# KiCad board imx8x_eps_leviathan.kicad_pcb (continued)
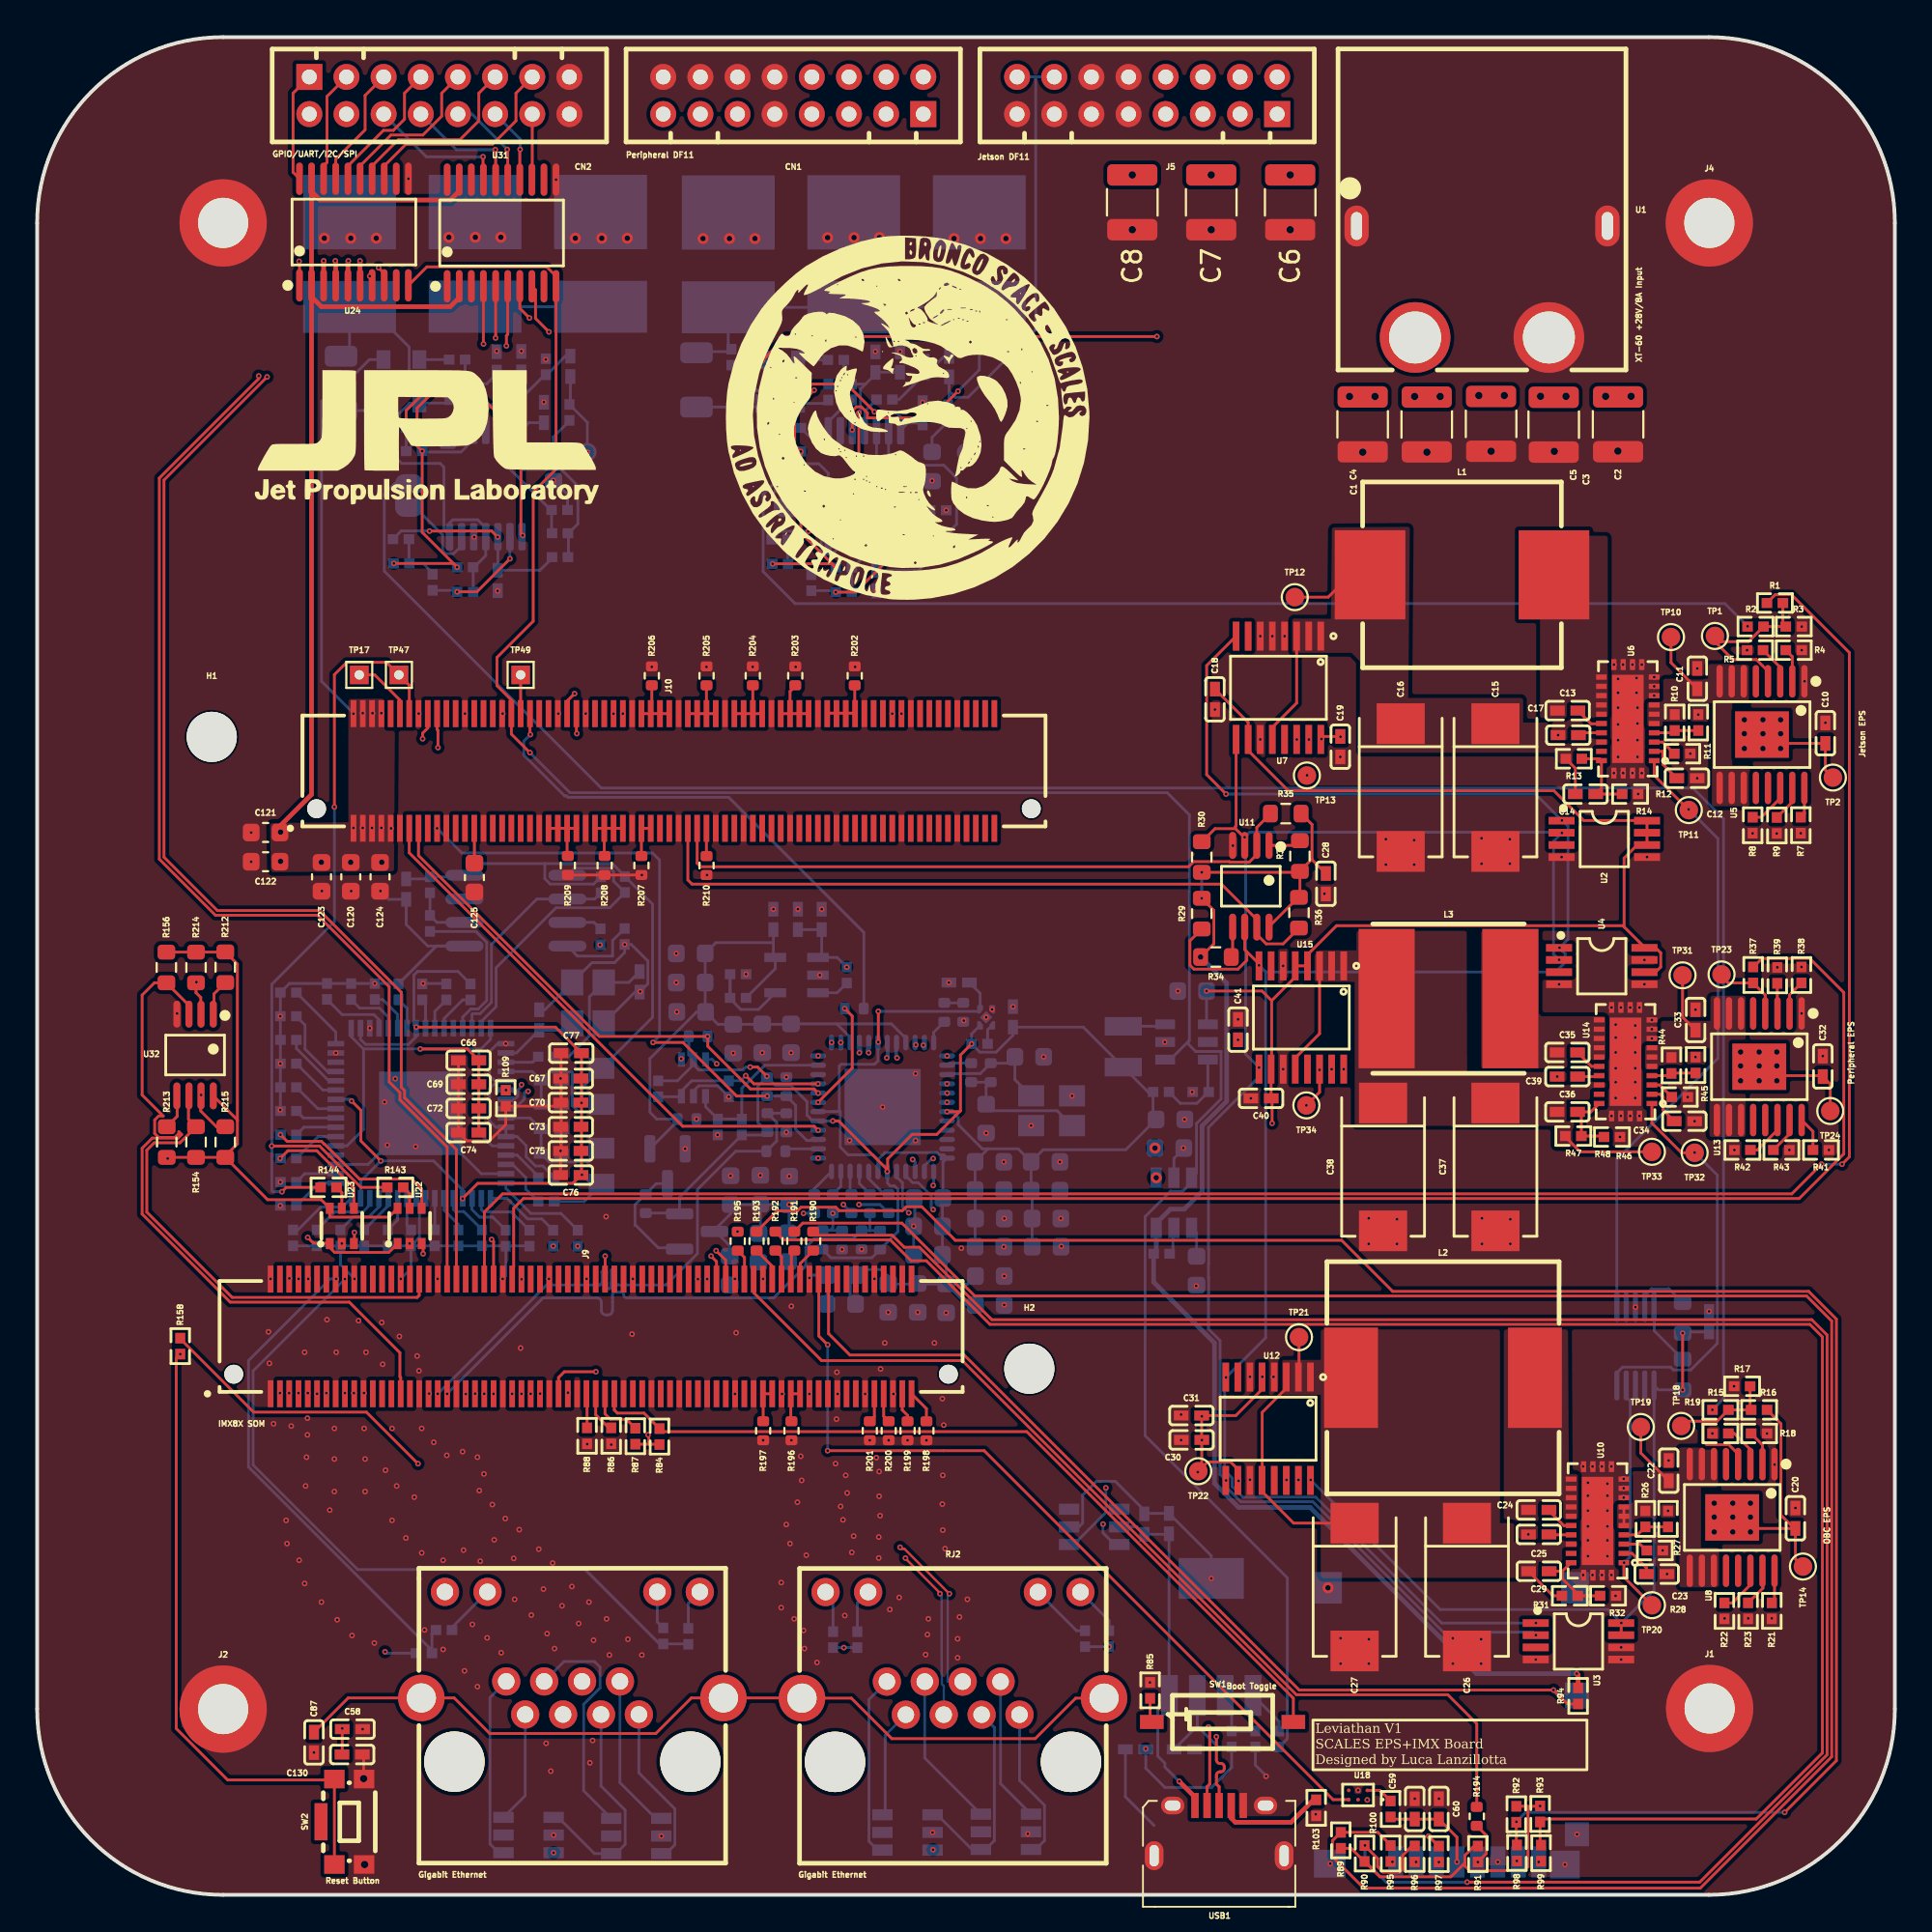
[diagram p0: board, top side]
## Routing (per net, layer and track width the routed paths; a pad name or vN(x,y) marks a point on that pad's centre or on a via; arc(x,y) is an arc through that point) (continued)
GNDPWR: length 46.7
  SIG1 w0.15: RJ2.14 55.91,10.59 53.73,8.41 46.01,8.41 43.83,10.59 RJ2.13 41.16,10.6 RJ1.14 35.22,10.6 33.3,8.68 24.36,8.68 22.45,10.6 RJ1.13 16.74,10.6 C87.1
VBUS_DEBUG_USB: length 18.6
  SIG1 w0.25: v1(61.48,6.11) 62.33,5.26 USB1.1
  SIG3 w0.15: 61.48,6.11 60.71,6.88 60.71,7.08 60.33,7.47 60.33,10.11 60.95,10.73 60.93,10.76 C78.2 60.9,19.41 C79.2 59.2,19.81 TV1.5
VCC_1V8_OUT: length 54.5
  SIG1 w0.15: U22.1 18.93,34.58 16.02,34.58 15.75,34.85 U23.1 15.73,35.08 14.87,35.08 v1(14.56,35.39) ; v1(12.63,40.31) 15.2,40.31 17.43,38.08 18.85,38.08 ; 20.03,63.03 20.03,65.11 TP47.1 18.8,66.35 16.66,66.35 16,65.69 v1(16,58.56) ; R144.2 13.41,38.08 v1(13.18,37.85)
  PWR w0.15: v1(13.18,37.85) 14.56,36.46 v1(14.56,35.39)
  SIG3 w0.15: v1(13.18,37.85) 12.68,37.85 12.63,37.9 12.63,49.02 16,52.39 v1(16,58.56)
VCC_3V3_OUT: length 4
  SIG1 w0.15: 19.52,63.03 19.52,64.32 18.17,65.67 TP17.1
VCC_ENET_2V5: length 35.2
  SIG3 w0.15: 39.63,51.21 39.63,50.56 U26.5 39.73,49.86 R157.2 ; 39.63,51.21 39.59,51.25 36.53,51.25 35.96,50.68 35.96,47.55 C97.1 ; 39.63,51.21 C86.1 ; C97.1 35.5,47.53 32.99,45.01 32.99,42.13 33.35,41.76 R188.1 34.47,41.65 Q2.1 ; C97.1 36.65,46.86 C100.1 40.56,46.86 40.58,46.88 ; 40.58,46.88 43.04,46.88 ; 40.58,46.88 40.53,46.83 ; 43.04,46.88 45.99,46.88 46.76,46.11 U25.9 ; 43.04,46.88 43.76,46.16 U25.3
VCC_LDO_SD1: length 79.9
  SIG1 w0.15: 79.62,4.77 R92.2 80.89,4.77 v1(80.91,4.78) ; R91.2 77.36,2.62 76.86,2.12 76.86,1.72 ; 76.86,1.72 76.1,0.97 72.28,0.97 R90.2 ; 76.86,1.72 76.86,1.56 77.11,1.3 80.04,1.3 80.25,1.51 80.25,4.73 ; 71.45,1.78 70.73,2.5 R89.2
  PWR w0.15: v1(80.91,4.78) 80.91,7.96 83.75,10.81 83.75,12.71 62.7,33.76 51.78,33.76 51.55,33.54 39.45,33.54 v1(39.08,33.16)
VCC_SCU_1V8: length 44.8
  SIG1 w0.15: v1(28.93,64.66) 28.53,64.26 J10.93 ; 32.93,24.26 33.48,24.26 R84.2 ; 32.93,24.26 R87.2 ; 32.93,24.26 32.93,24.72 v1(32.88,24.76)
  PWR w0.15: v1(32.88,24.76) 28.73,28.92 28.73,64.46 v1(28.93,64.66)
VDD_ADC_1V8: length 1.9
  SIG1 w0.15: C125.1 23.54,57.42 23.56,57.44
VDD_ETH_1V0: length 43
  SIG1 w0.15: v1(45.28,47.56) v1(45.28,45.91)
  SIG3 w0.15: C99.1 50.06,31.76 48.93,32.88 ; C102.1 50.08,32.88 48.93,32.88 ; 48.93,32.88 48.93,34.26 C109.1 48.73,37.48 C105.1 48.76,39.43 U25.24 48.8,39.84 48.57,39.84 48.45,39.96 45.64,39.96 45.26,39.58 ; 48.93,32.88 45.91,32.88 45.88,32.91 C90.1 45.81,33.3 45.45,33.66 44.38,33.66 C112.1 43.76,33.03 43.76,32.11 C115.1 ; 42.83,42.16 43.18,42.16 43.18,44.61 43.28,44.71 45.08,44.71 45.26,44.89 U25.6 ; 42.83,42.16 U25.42 ; 42.83,42.16 43.23,42.16 43.23,40.25 43.65,39.83 45.01,39.83 45.26,39.58 ; v1(45.28,47.56) 50.65,47.56 U27.1 50.76,48.53 C85.1 ; 45.26,39.58 U25.31
+V_Batt: length 20.9
  SIG1 w0.15: C32.1 96.52,43.65 TP24.1 ; v2(93.85,61.71) 94.13,61.98 C10.1 96.26,60.55 TP2.1 ; v2(93.65,43.82) 93.92,44.1 96.17,44.1 ; 94.65,19.71 94.65,18.08 95,17.72 ; R16.2 93.87,25.36 93.87,20.44 94.65,19.66 ; C20.1 92.42,19.72 v2(92.23,19.53)
  vias: v2(90.28,21.08) v2(90.28,20.33) v2(90.28,19.53) v2(91.28,21.08) v2(91.28,20.33) v2(91.28,19.53) v2(91.7,45.37) v2(91.7,44.62) v2(91.7,43.82) v2(91.9,63.26) v2(91.9,62.51) v2(91.9,61.71) v2(92.23,21.08) v2(92.23,20.33) v2(92.7,45.37) v2(92.7,44.62) v2(92.7,43.82) v2(92.9,63.26) v2(92.9,62.51) v2(92.9,61.71) v2(93.65,45.37) v2(93.65,44.62) v2(93.85,63.26) v2(93.85,62.51) v3(70.65,80.66) v3(72.02,80.66) v3(74.15,80.66) v3(75.52,80.66) v3(77.61,80.71) v3(78.98,80.71) v3(80.93,80.67) v3(82.3,80.67) v3(84.43,80.67) v3(85.8,80.67)
/IMX8XQXP SCALES Mariner Carrier Board/Debug USB - UART/DEBUG_USB_DN: length 88.3
  SIG1 w0.158: 63.03,9.03 63.12,8.94 63.12,5.97 62.98,5.82 USB1.2
  GND2 w0.158: 63.05,9.03 63.05,9.31 63.51,9.76 63.51,11.71 arc(63.57,11.86) 63.72,11.92 arc(63.88,11.99) 63.94,12.14 63.94,12.31 arc(63.88,12.46) 63.72,12.52 arc(63.57,12.59) 63.51,12.74 63.51,14.33 62.48,15.36 arc(62.43,15.47) 62.48,15.58 arc(62.63,15.95) 62.48,16.31 62.2,16.59 arc(61.84,16.74) 61.47,16.59 61,16.11 arc(60.89,16.07) 60.78,16.11 60.54,16.35 arc(60.5,16.46) 60.54,16.57 arc(60.7,16.93) 60.54,17.3 57.53,20.31 57.53,44.43 49.95,52.01 34.58,52.01 26.17,43.61 v1(26.07,43.61)
  SIG3 w0.15: v1(57.53,21.91) 57.53,20.58 55.8,18.86 TV1.1
  SIG3 w0.158: v1(26.07,43.61) 26.07,43.51 25.87,43.31 25.87,42.99 25.63,42.75 25.31,42.75 U20.7
  vias: v1(63.05,9.03)
/IMX8XQXP SCALES Mariner Carrier Board/Debug USB - UART/DEBUG_USB_DP: length 85.8
  SIG1 w0.158: 63.48,8.53 63.48,8.53 63.48,7.25 arc(63.53,7.13) 63.66,7.07 63.72,7.07 arc(63.85,7.02) 63.9,6.89 63.9,6.8 arc(63.85,6.68) 63.72,6.62 63.66,6.62 arc(63.53,6.57) 63.48,6.44 63.48,5.97 63.63,5.82 USB1.3
  GND2 w0.158: v1(26.43,43.26) 26.43,43.36 34.73,51.65 49.8,51.65 57.17,44.28 57.17,20.16 60.29,17.04 arc(60.33,16.93) 60.29,16.82 arc(60.14,16.46) 60.29,16.09 60.52,15.86 arc(60.89,15.71) 61.25,15.86 61.73,16.33 arc(61.84,16.38) 61.95,16.33 62.22,16.06 arc(62.27,15.95) 62.22,15.84 arc(62.07,15.47) 62.22,15.11 63.15,14.18 63.15,9.91 62.72,9.48 62.72,8.9 63.11,8.51 63.5,8.51
  SIG3 w0.15: TV1.6 58,18.86 57.38,19.48 v1(57.38,19.96)
  SIG3 w0.158: U20.8 25.31,42.39 25.78,42.39 26.23,42.84 26.23,43.16 26.33,43.26 v1(26.43,43.26)
  vias: v1(63.48,8.51)
/IMX8XQXP SCALES Mariner Carrier Board/Debug USB - UART/DEBUG_USB_ID: length 5.9
  SIG1 w0.25: 68.88,5.08 68.67,5.08 67.5,3.91 64.5,3.91 64.28,4.13 USB1.4
/IMX8XQXP SCALES Mariner Carrier Board/Debug USB - UART/FTDI_OSCI: length 4.2
  SIG3 w0.15: U20.2 25.8,45.32 C68.2 28.43,46.55 Y1.3
/IMX8XQXP SCALES Mariner Carrier Board/Debug USB - UART/FTDI_OSCO: length 7.7
  SIG3 w0.15: C65.2 31.85,49.12 Y1.1 29.73,48.34 29.73,46.23 28.61,45.12 R111.2
/IMX8XQXP SCALES Mariner Carrier Board/Debug USB - UART/M40_UART0_RX: length 6.1
  SIG1 w0.15: U23.4 17.05,38.06 15.05,40.06 13.5,40.06 v1(13.08,39.63)
/IMX8XQXP SCALES Mariner Carrier Board/Debug USB - UART/M40_UART0_TX: length 9.9
  SIG1 w0.15: U22.4 20.7,38 20.17,38.53 17.36,38.53 15.48,40.41 15.46,40.41 15.31,40.56 13.46,40.56 v1(13.1,40.92)
/SCALES_EPS/Jetson_Subsystem/WD_Jetson/WDT-VIN: length 19.5
  SIG1 w0.15: v1(39.59,71.65) 42.79,71.65 v1(42.99,71.45) 41.11,73.33 v1(41.11,77.7) 40.78,78.03 40.78,79.95 v1(41.82,81)
  SIG3 w0.15: v1(41.82,81) 41.79,80.96 38.75,80.96 R67.2 ; v1(41.11,77.7) 41.16,77.65
/SCALES_EPS/Jetson_Subsystem/WD_Jetson/WDT-VP: length 6.8
  SIG3 w0.15: 48.07,73.28 48.08,73.28 R72.2 ; U17.5 45.19,77.38 48.07,74.5
/SCALES_EPS/OBC_Subsystem/WD_OBC/WDT-VIN: length 41.9
  SIG1 w0.15: v1(21.44,81.02) 20.45,80.03 20.45,77.99 v1(20.73,77.71) 20.73,73.35 v1(22.61,71.47) 22.4,71.67 v1(19.2,71.67)
  SIG3 w0.15: C44.1 16.82,83.2 16.41,82.79 ; C44.1 17.87,85.48 20.02,83.32 20.02,82.02 21.03,81.02 v1(21.44,81.02) ; C44.1 23.66,85.48 23.67,85.49 ; C43.1 30.53,85.49 ; 23.52,78.93 23.52,78.37 22.82,77.67 20.77,77.67 v1(20.73,77.71)
/SCALES_EPS/OBC_Subsystem/WD_OBC/WDT-VP: length 6.8
  SIG3 w0.15: 27.69,74.51 24.8,77.4 U16.5 ; R54.2 27.69,73.3 27.69,73.29
ETH1_A_TX_N: length 49.9
  GND2 w0.124: RJ2.2 51.56,11.48 51.09,11.95 51.09,31.55 50.42,32.22 arc(50.39,32.3) 50.42,32.38 50.84,32.8 arc(50.87,32.88) 50.84,32.95 50.8,32.99 arc(50.72,33.03) 50.64,32.99 50.22,32.57 arc(50.15,32.54) 50.07,32.57 50.03,32.61 arc(50,32.69) 50.03,32.77 50.45,33.19 arc(50.48,33.26) 50.45,33.34 50.41,33.38 arc(50.33,33.41) 50.26,33.38 49.84,32.96 arc(49.76,32.93) 49.68,32.96 48.95,33.69 arc(48.9,33.8) 48.95,33.91 arc(49.09,34.25) 48.95,34.59 48.69,34.85 arc(48.35,34.99) 48.01,34.85 arc(47.9,34.81) 47.79,34.85 43.17,39.47 43.17,41.1 43.47,41.39 43.47,41.92 43.17,42.22 43.17,45.79 v1(43.26,45.88)
  SIG3 w0.15: TV4.1 51.86,5.98 RJ2.2
ETH1_A_TX_P: length 49.9
  GND2 w0.124: v1(42.76,45.88) 42.85,45.79 42.85,42.09 43.14,41.79 43.14,41.53 42.85,41.23 42.85,39.33 47.56,34.62 arc(47.9,34.48) 48.24,34.62 arc(48.35,34.67) 48.46,34.62 48.72,34.36 arc(48.76,34.25) 48.72,34.14 arc(48.57,33.8) 48.72,33.46 50.76,31.42 50.76,11.82 50.94,11.64 50.94,11.1 51.48,10.56 52.02,10.56 RJ2.1
  SIG3 w0.15: TV4.3 53.75,2.44 54.23,2.92 54.23,4.82 52.88,6.17 RJ2.1
ETH1_B_TX_N: length 58.4
  SIG2 w0.124: v1(44.76,45.33) 44.67,45.25 44.67,40.08 42.19,37.59 42.19,29.52 42.26,29.45 42.26,26.01 arc(42.3,25.93) 42.38,25.89 42.47,25.89 arc(42.55,25.86) 42.59,25.77 42.59,25.71 arc(42.55,25.63) 42.47,25.59 42.38,25.59 arc(42.3,25.56) 42.26,25.47 42.26,25.41 arc(42.3,25.33) 42.38,25.29 43.02,25.29 arc(43.1,25.26) 43.14,25.17 43.14,25.11 arc(43.1,25.03) 43.02,24.99 42.38,24.99 arc(42.3,24.96) 42.26,24.87 42.26,24.07 42.24,24.04 42.24,23.78 42.26,23.75 42.26,21.96 arc(42.13,21.62) 41.79,21.49 arc(41.69,21.44) 41.64,21.34 41.64,20.94 arc(41.69,20.83) 41.79,20.79 42.46,20.79 arc(42.84,20.64) 42.99,20.26 42.99,19.99 arc(42.84,19.62) 42.46,19.46 41.87,19.46 arc(41.82,19.44) 41.79,19.39 41.79,18.86 arc(41.82,18.81) 41.87,18.79 arc(42.15,18.67) 42.26,18.39 42.26,17.43 41.52,16.68 41.52,15.92 42.26,15.17 42.26,13.77 42.93,13.11
  SIG2 w0.15: 42.93,13.11 43.65,12.39 43.65,10.87 45.75,8.76 47.15,8.76 47.7,9.31 47.7,9.93 47.78,10.01 47.78,10.63 47.78,10.64 RJ2.6
  GND2 w0.2: 48.28,11.97 RJ2.6
  SIG3 w0.124: U25.5 44.76,45.59 44.67,45.51 44.67,45.42 v1(44.76,45.33)
  SIG3 w0.15: RJ2.6 47.78,7.36 TV4.6
ETH1_B_TX_P: length 60.7
  SIG2 w0.124: 42.68,12.86 41.94,13.6 41.94,15.03 41.19,15.78 41.19,16.82 41.92,17.55 41.94,17.55 41.94,18.39 arc(41.92,18.44) 41.87,18.46 arc(41.58,18.58) 41.47,18.86 41.47,19.39 arc(41.58,19.67) 41.87,19.79 42.46,19.79 arc(42.61,19.85) 42.66,19.99 42.66,20.26 arc(42.61,20.41) 42.46,20.46 41.79,20.46 arc(41.46,20.6) 41.32,20.94 41.32,21.34 arc(41.46,21.67) 41.79,21.81 arc(41.89,21.86) 41.94,21.96 41.94,37.8 44.35,40.21 44.35,45.25 v1(44.26,45.33)
  SIG2 w0.15: 42.68,12.86 43.3,12.24 43.3,10.72 45.61,8.41 47.3,8.41 47.65,8.76 49.19,8.76 49.74,9.31 49.74,9.7 RJ2.3
  SIG3 w0.124: U25.4 44.26,45.59 44.35,45.51 44.35,45.42 v1(44.26,45.33)
  SIG3 w0.15: TV5.1 48.45,4.31 50.32,2.44 TV4.4 51.05,2.44 51.53,2.92 51.53,9.01 RJ2.3
ETH1_C_TXCLK_N: length 47
  SIG1 w0.124: v1(48.6,16.21) 48.6,16.25 46.74,18.11 v1(46.74,18.13)
  SIG2 w0.124: v1(46.29,45.05) 46.17,44.94 46.17,39.79 46.64,39.33 46.64,37.12 46.24,36.72 46.24,36.01 arc(46.26,35.97) 46.3,35.95 46.52,35.95 arc(46.79,35.83) 46.91,35.56 46.91,35.46 arc(46.79,35.18) 46.52,35.07 45.23,35.07 arc(45.19,35.05) 45.17,35.01 45.17,34.91 arc(45.19,34.86) 45.23,34.84 46.87,34.84 arc(47.14,34.73) 47.26,34.46 47.26,34.36 arc(47.14,34.08) 46.87,33.97 45.48,33.97 arc(45.44,33.95) 45.42,33.9 45.42,33.8 arc(45.44,33.76) 45.48,33.74 45.85,33.74 arc(46.13,33.63) 46.24,33.35 46.24,32 46.59,31.65 46.59,28.24 45.49,27.14 45.49,26.09 44.16,24.77 44.16,23.45 44.81,22.81 44.81,19.16 45.15,18.81 46.06,18.81 46.26,19.02 46.58,19.02 46.76,18.84 46.76,18.15 v1(46.74,18.13)
  SIG3 w0.124: RJ2.5 48.8,11.25 48.7,11.34 48.7,11.86 48.69,11.88 48.69,16.12 v1(48.6,16.21)
  SIG3 w0.2: U25.8 46.24,45.85 46.24,45.1 v1(46.29,45.05)
ETH1_C_TXCLK_P: length 56.7
  SIG1 w0.124: v1(46.45,18.71) 46.54,18.62 46.69,18.62 v1(49.1,16.21)
  SIG2 w0.124: v1(45.74,45.05) 45.85,44.94 45.85,40.77 arc(45.8,40.66) 45.69,40.61 45.57,40.61 arc(45.46,40.57) 45.41,40.45 45.41,40.37 arc(45.46,40.26) 45.57,40.21 45.69,40.21 arc(45.8,40.17) 45.85,40.05 45.85,39.66 46.31,39.19 46.31,37.25 45.91,36.85 45.91,36.01 arc(46.03,35.73) 46.3,35.62 46.52,35.62 arc(46.56,35.6) 46.58,35.56 46.58,35.46 arc(46.56,35.41) 46.52,35.4 45.23,35.4 arc(44.96,35.28) 44.85,35.01 44.85,34.91 arc(44.96,34.63) 45.23,34.52 46.87,34.52 arc(46.91,34.5) 46.93,34.46 46.93,34.36 arc(46.91,34.31) 46.87,34.29 45.48,34.29 arc(45.21,34.18) 45.1,33.9 45.1,33.8 arc(45.21,33.53) 45.48,33.41 45.85,33.41 arc(45.89,33.4) 45.91,33.35 45.91,31.87 46.26,31.52 46.26,28.38 45.16,27.28 45.16,26.23 43.84,24.9 43.84,23.32 44.48,22.68 44.48,19.03 45.02,18.49 46.23,18.49 v1(46.45,18.71)
  GND2 w0.124: v1(48.23,2.43) 49.82,4.03 RJ2.4
  SIG3 w0.124: RJ2.4 49.03,11.48 49.01,11.5 49.01,16.12 v1(49.1,16.21)
  SIG3 w0.2: v1(45.74,45.05) 45.79,45.1 45.79,45.85 U25.7
ETH1_D_RXDV_N: length 50
  SIG2 w0.124: v1(47.7,45.73) 47.68,45.71 47.68,44.72 47.92,44.47 47.92,34.66 arc(47.99,34.5) 48.14,34.44 arc(48.53,34.28) 48.69,33.89 48.69,33.66 arc(48.53,33.27) 48.14,33.11 arc(47.99,33.05) 47.92,32.89 47.92,31.44 47.68,31.19 47.68,24.72 47.56,24.6 47.56,24.34 47.68,24.22 47.68,15.65 44.21,12.19 44.21,11.1 45.05,10.27 45.39,10.27 45.74,10.62 RJ2.8
  SIG3 w0.15: TV5.4 45.25,2.41 44.78,2.88 44.78,10.51 RJ2.8
ETH1_D_RXDV_P: length 50
  SIG2 w0.124: v1(47.3,45.76) 47.35,45.71 47.35,44.58 47.59,44.34 47.59,34.66 arc(47.75,34.27) 48.14,34.11 arc(48.29,34.05) 48.36,33.89 48.36,33.66 arc(48.29,33.5) 48.14,33.44 arc(47.75,33.28) 47.59,32.89 47.59,31.92 47.35,31.67 47.27,31.67 47.09,31.49 47.09,31.23 47.35,30.97 47.35,24.85 47.23,24.73 47.23,24.2 47.36,24.08 47.36,16.72 47.35,16.72 47.35,15.79 45.81,14.25 arc(45.7,14.2) 45.58,14.25 45.18,14.66 arc(45.07,14.7) 44.95,14.66 44.9,14.6 arc(44.85,14.49) 44.9,14.37 45.3,13.97 arc(45.35,13.85) 45.3,13.74 45.24,13.68 arc(45.13,13.64) 45.02,13.68 44.61,14.09 arc(44.5,14.14) 44.39,14.09 44.33,14.03 arc(44.28,13.92) 44.33,13.81 44.74,13.4 arc(44.78,13.29) 44.74,13.17 43.89,12.33 43.89,10.97 44.91,9.94 45.39,9.94 45.63,9.7 RJ2.7
  SIG3 w0.15: TV5.6 45.65,4.46 45.65,8.59 RJ2.7
ETH1_LED0: length 52.2
  GND1 w0.15: v1(57.7,13.36) 59.13,14.78 59.13,34.3 49.44,43.98 48.61,43.98 46.98,45.62 46.98,45.86 46.2,46.63 38.34,46.63 37.15,45.44 37.15,45.3 v1(36.58,44.73)
  SIG3 w0.15: U28.6 36.34,44.97 v1(36.58,44.73) ; v1(57.7,13.36) R166.2
ETH1_LED2: length 72.6
  GND1 w0.15: v1(43.43,13.31) 42.84,13.89 42.07,13.89 41.08,14.88 41.08,14.99 40.89,15.18 40.78,15.18 40.38,15.58 40.38,15.59 40.19,15.78 40.18,15.78 29.93,26.03 24.17,26.03 23.56,26.65 23.23,26.65 23.21,26.63 22.94,26.63 22.93,26.65 12.44,26.65 12.13,26.96 12.13,34.16 22.43,44.46 34.13,44.46 v1(34.68,45.01)
  SIG3 w0.15: R163.1 v1(43.43,13.31) R165.1
I2C3_USR_SCL: length 57.6
  SIG1 w0.15: 8.81,47.34 8.81,48.31 8.55,48.56 R214.2
  SIG2 w0.15: v1(8.58,49.13) 6.48,51.23 6.48,92.36 9.1,94.98 15.78,94.98 CN2.4
I2C3_USR_SDA: length 62.8
  SIG1 w0.15: 8.81,43.02 8.81,42.19 9.65,41.35 R215.2
  SIG2 w0.15: v1(8.83,43.06) 8.15,43.73 8.15,49.2 6.23,51.13 6.23,92.46 9,95.23 13.28,95.23 13.9,95.86 CN2.2
LED0_LINK: length 9.1
  SIG3 w0.15: U28.1 35.98,42.42 R153.1 37.93,41.76 R152.2 37.93,43.42 39.17,44.66 U25.47
LED2_ACT: length 9.4
  SIG1 w0.15: v1(42.03,43.66) 38.58,43.66 v1(38.14,44.1)
  SIG3 w0.15: v1(38.14,44.1) 37.87,43.82 R150.1 35.23,43.82 34.68,43.27 U28.3 34.65,42.96 R149.2
SCL: length 89.1
  SIG1 w0.15: 62.74,56.73 63.4,57.39 64.5,57.39 ; 64.5,57.39 64.5,57.51 64.54,57.55 U7.9 ; 64.5,57.39 65,56.9 U11.3
  SIG3 w0.15: v1(80.68,13.98) 80.52,14.14 75.7,14.14 68.68,21.16 64.8,21.16 64.08,21.88 64.08,22.26 64.03,22.26 64,22.28 ; v1(81.93,50.33) 81.63,50.63 81.63,56.71 v1(82.08,57.16) 82.03,57.2 65.27,57.2 v1(65,56.93) ; v1(64,22.31) 63.68,22.63 63.68,29.84 63.05,30.46 63.05,32.41 63.06,32.42 63.06,33.22 63.05,33.23 63.05,33.96 63.06,33.97 63.06,34.77 63.05,34.78 63.05,41.31 65.78,44.03 v1(65.78,44.53) 65.05,45.26 65.05,56.86 65,56.91
SD1_SPWR: length 1.5
  SIG1 w0.15: U18.B1 72.29,5.62 R100.2
SDA: length 109.7
  SIG1 w0.15: v1(64,59.26) 62.95,60.3 62.95,66.17 U7.8 ; 65.11,50.77 65,50.88 U11.6 ; 65.11,50.77 65.8,50.08 ; 65.11,50.77 65.11,50.31 64.64,49.83 62.27,49.83 62.05,50.05 62.05,51.36 R29.2
  SIG3 w0.15: v1(82.08,57.83) 80.65,59.26 v1(64,59.26) ; v1(81.95,50.98) 82.4,51.43 82.4,57.53 82.1,57.83 ; v1(65.78,50.03) 66.13,49.68 ; 66.13,49.68 81.73,49.68 82.25,50.2 82.25,50.66 81.95,50.96 ; 66.13,49.68 66.13,29.99 v1(64,27.86) 63.93,27.78 63.93,22.74 64.03,22.63 64.14,22.63 64.33,22.44 64.33,22.17 64.33,21.98 64.9,21.41 68.83,21.41 75.6,14.63 v1(80.68,14.63)
SYNC_PHASE1: length 12.8
  SIG1 w0.15: U10.1 85.41,17.1 TP20.1
  SIG3 w0.15: v1(85.43,17.88) 85.75,18.21 85.75,26.59 85.55,26.79 85.55,27.53
SYNC_PHASE2: length 21.7
  SIG1 w0.15: U14.1 86.92,41.54 88.52,39.95 TP32.1
  SIG3 w0.15: v1(89.23,39.96) 90.44,38.74 90.44,29.69 89.01,28.26 88.08,28.26 87.93,28.41 85.34,28.41 85.04,28.1 U9.5
SYNC_PHASE3: length 33.1
  SIG1 w0.15: U6.1 87.05,60.26 TP11.1
  SIG3 w0.15: v1(88.9,58.43) 90.48,56.86 90.48,45.03 85.04,39.59 U9.6
WD_JETSON: length 27.2
  SIG3 w0.15: 53.75,97.86 53.75,84.25 50.11,80.61 49.43,80.61 49.09,80.96 C53.1 49.09,80.19 ; 53.75,97.86 J5.16 ; 53.75,97.86 J5.14 ; R73.2 50,79.24 TP42.1
X_ADMA_I2C0_SCL: length 34.9
  SIG1 w0.15: 66.4,58.2 65.65,57.46 U11.2 65.65,56 65.25,55.59 64.2,55.59 64.17,55.62 62.26,55.62 61.98,55.34 35.72,55.34 35.53,55.53 J10.66
X_ADMA_I2C0_SDA: length 38
  SIG1 w0.15: J10.68 35.03,54.63 35.25,54.41 63.75,54.41 65.65,52.5 U11.7 ; 65.64,52.21 65.64,51.72 66.16,51.19 67.07,51.19 R36.2
X_ADMA_I2C3_SCL: length 39.1
  SIG1 w0.15: J9.112 19.57,27.85 19.53,27.89 19.53,29.18 16.8,31.91 10.39,31.91 5.65,36.65 5.65,40.19 6.2,40.73 7.58,40.73 7.78,40.93 7.63,41.08 7.63,40.99 7.41,40.77 6.54,40.77 6.33,40.99 6.33,41.71 6.54,41.92 6.79,41.92 5.65,43.06 5.65,48.43 6.31,49.1 R156.2 8.2,47.86 8.2,47.29
X_ADMA_I2C3_SDA: length 25.8
  SIG1 w0.15: 8.15,43.02 8.15,41.75 R154.2 7.69,40.48 6.3,40.48 5.9,40.08 5.9,36.75 10.5,32.16 20.46,32.16 20.57,32.27 J9.107
X_ADMA_SPI2_CS0: length 61.1
  SIG1 w0.15: U31.5 24.68,83.81 v1(24.68,83.81) ; J9.41 37.07,34.16 v1(36.55,34.68)
  SIG2 w0.15: v1(36.55,34.68) 33.98,37.25 33.98,78.81 28.98,83.81 v1(24.68,83.81)
X_ADMA_SPI2_CS1: length 56.3
  SIG1 w0.15: v1(30.58,34.38) 30.58,33.15 J9.67 ; U31.4 24.02,83.49 v1(24.03,83.48)
  SIG2 w0.15: v1(24.03,83.48) 23.85,83.31 23.85,41.11 v1(30.58,34.38)
X_ADMA_SPI2_SCK: length 61.8
  SIG1 w0.15: U31.6 25.33,84 25.26,83.93 v1(25.26,83.38) ; J9.43 36.57,34.09 v1(36.28,34.38)
  SIG2 w0.15: v1(36.28,34.38) 31.33,34.38 24.48,41.23 24.48,70.05 24.47,70.06 24.47,70.33 24.48,70.34 24.48,72.95 24.47,72.96 24.47,73.23 24.48,73.24 24.48,79.6 24.36,79.71 24.36,79.98 24.48,80.1 24.48,80.71 25.26,81.49 v1(25.26,83.38)
X_ADMA_SPI2_SDI: length 59.5
  SIG1 w0.15: U31.7 25.98,85.4 v1(26.5,84.88)
  SIG2 w0.15: v1(36.07,33.14) 36.07,33.68 36.88,34.48 36.88,34.81 35.23,36.46 35.23,40.48 34.88,40.83 34.88,44.75 35,44.87 35,45.14 34.89,45.26 34.89,57.58 34.88,57.59 34.88,63.44 34.89,63.45 34.89,63.72 34.88,63.73 34.88,78.4 28.39,84.88 v1(26.5,84.88)
X_ADMA_SPI2_SDO: length 65.5
  SIG1 w0.15: U31.8 26.83,86.39 26.83,84.86 v1(27.55,84.13)
  SIG2 w0.15: v1(27.55,84.13) 23.9,84.13 23.2,83.43 23.2,63.88 23.38,63.7 23.38,54.26 23.23,54.12 23.23,41.27 30.47,34.03 34.68,34.03 v1(35.57,33.14)
X_ADMA_UART2_RX: length 68.9
  SIG1 w0.15: v1(17.9,87.13) 18.03,87 U24.7 ; J9.99 22.57,40.12 19.78,42.91 19.78,43.29 19.6,43.46 19.6,48.58 15.2,52.98 9.7,52.98 6.83,55.86 6.83,76.16 v1(12.38,81.71)
  GND2 w0.15: v1(12.38,81.71) 17.8,87.13 v1(17.9,87.13)
X_ADMA_UART2_TX: length 70.4
  SIG1 w0.15: v1(11.93,81.76) 11.93,81.61 6.58,76.26 6.58,55.75 9.6,52.73 15.1,52.73 18.95,48.88 18.95,43.76 19.53,43.18 19.53,42.8 22.07,40.26 J9.101 ; v1(18.38,87.58) 18.68,87.28 U24.8
  GND2 w0.15: v1(18.38,87.58) 17.75,87.58 v1(11.93,81.76)
X_BOOT_MODE0: length 45.1
  SIG1 w0.15: R84.1 32.67,25.93 31.23,25.93 31.07,26.1 J9.66 ; 33.53,25.11 33.7,24.93 53.27,24.93 67.62,10.58 SW1.2
X_BOOT_MODE1: length 3
  SIG1 w0.15: J9.68 30.57,25.89 30.86,25.6 31.72,25.6 R87.1
X_BOOT_MODE2: length 2.3
  SIG1 w0.15: J9.70 30.07,25.84 30.77,25.14 R86.2
X_BOOT_MODE3: length 1.6
  SIG1 w0.15: 29.6,25.36 29.6,26.94 J9.72
X_CONN_ENET1_REFCLK: length 40.1
  GND1 w0.15: v1(21.1,26.98) 21.1,36.78 22.17,37.86 43.89,37.86 48.69,42.66 v1(48.98,42.66)
X_CONN_ENET1_RX_CTL: length 32
  SIG3 w0.15: R187.1 40.32,42.08 R186.2 39.81,41.58 39.81,40.58 R173.2 37.6,40.03 35.54,37.97 35.54,34.52 33.86,32.83 31.25,32.83 arc(31.18,32.86) 31.15,32.93 31.15,33.6 arc(31.12,33.67) 31.05,33.7 31,33.7 arc(30.93,33.67) 30.9,33.6 30.9,32.73 arc(30.87,32.66) 30.8,32.63 30.75,32.63 arc(30.68,32.66) 30.65,32.73 30.65,33.52 arc(30.62,33.6) 30.55,33.62 30.5,33.62 arc(30.43,33.6) 30.4,33.52 30.4,32.93 arc(30.37,32.86) 30.3,32.83 27.43,32.83 v1(21.57,26.97)
X_CONN_ENET1_RXC: length 28.5
  GND2 w0.15: v1(26.07,26.97) 26.4,26.64 30.57,26.64 32.37,28.44 arc(32.41,28.52) 32.37,28.61 32,28.98 arc(31.97,29.06) 32,29.15 32.04,29.19 arc(32.13,29.22) 32.21,29.19 32.98,28.42 arc(33.07,28.38) 33.15,28.42 33.2,28.46 arc(33.23,28.55) 33.2,28.63 32.43,29.4 arc(32.39,29.49) 32.43,29.57 32.47,29.61 arc(32.55,29.65) 32.64,29.61 33.01,29.24 arc(33.09,29.21) 33.18,29.24 33.35,29.42 39.5,35.56 41.24,35.56 43.17,37.48 43.92,37.48 v1(44.24,37.16)
  SIG3 w0.15: v1(44.24,37.16) 45.37,37.16 R174.2
X_CONN_ENET1_RXD0: length 30.4
  SIG3 w0.15: R181.2 44.83,35.76 ; 44.83,35.76 R169.2 ; 44.83,35.76 44.39,35.76 R182.1 43.92,35.31 41.83,35.31 41.38,34.86 41.38,33.86 39.65,32.13 31.73,32.13 arc(31.62,32.18) 31.57,32.3 arc(31.53,32.41) 31.41,32.46 31.13,32.46 arc(31.02,32.41) 30.97,32.3 30.97,31.46 arc(30.9,31.29) 30.73,31.22 30.61,31.22 arc(30.44,31.29) 30.37,31.46 30.37,31.89 arc(30.3,32.06) 30.13,32.13 27.23,32.13 v1(22.07,26.97)
X_CONN_ENET1_RXD1: length 28.5
  GND2 w0.15: v1(43.4,37.16) 43.4,35.43 41.5,33.54 41.44,33.54 41.25,33.35 41.25,33.28 36.45,28.48 arc(36.38,28.31) 36.45,28.14 36.65,27.94 arc(36.72,27.77) 36.65,27.6 36.56,27.51 arc(36.4,27.44) 36.23,27.51 35.74,28 arc(35.63,28.04) 35.52,28 35.26,27.73 arc(35.21,27.62) 35.26,27.51 arc(35.31,27.4) 35.26,27.29 34.89,26.92 34.89,26.83 34.7,26.64 34.6,26.64 33.05,25.08 25.96,25.08 v1(24.07,26.97)
  SIG3 w0.15: R170.2 43.83,36.73 v1(43.4,37.16)
